# Allegro board Swan Feather PCB v3.0.brd
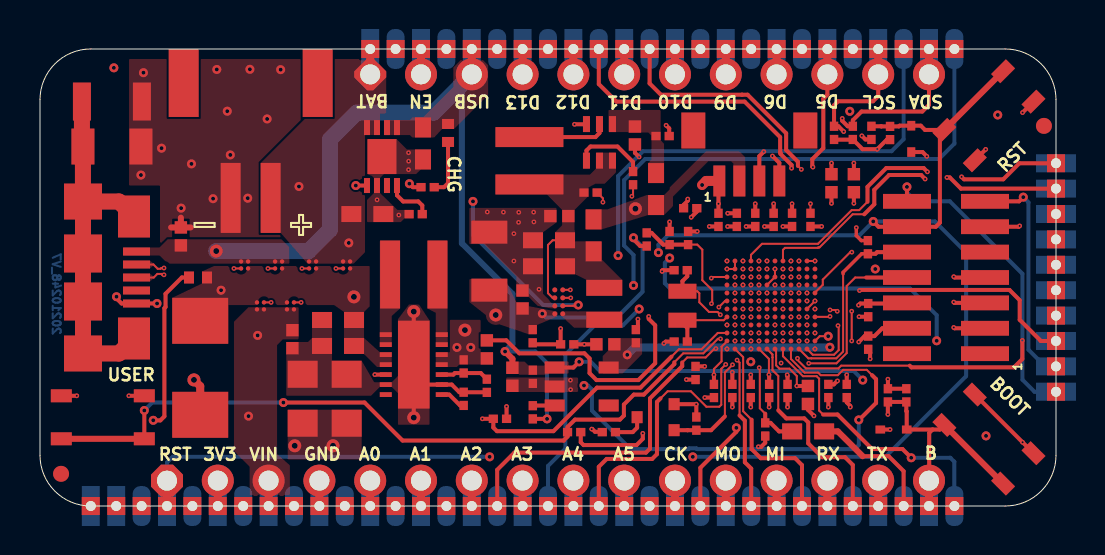
[diagram p0: board, top side]
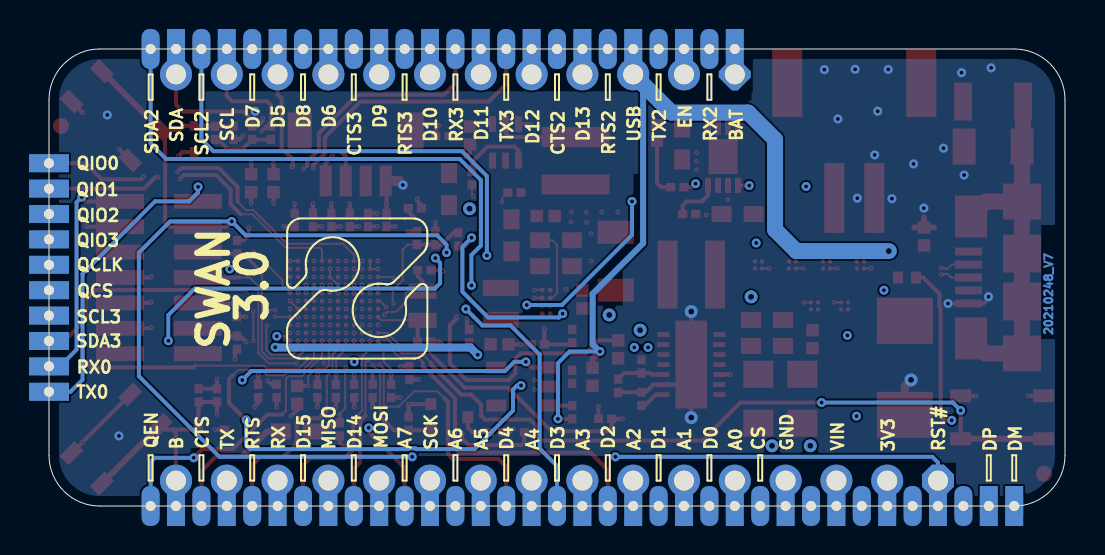
[diagram p1: board, bottom side, seen from below]

Outline 50.8 x 22.86 mm; copper layers: TOP, GND, INT1, INT2, POWER, BOTTOM. Coordinates in mm from the lower left corner of the outline.
Outline path: 0,20.32 0,2.54 arc(0.74,0.74) 2.54,0 48.26,0 arc(50.06,0.74) 50.8,2.54 50.8,20.32 arc(50.06,22.12) 48.26,22.86 2.54,22.86 arc(0.74,22.12) 0,20.32

## Design rules (mm)
constraint set DEFAULT: pair gap 0.1
net group USB_90: nets USB_DM USB_DP

## Placement (name value [footprint] x y rotation side)
C1  10n/1kV  [CS-C-1206]  3.65 17.98 0 top
C2  100n/16V  [CS-C-0402]  7.04 13.48 90 top
C3  100n/16V  [CS-C-0402]  12.62 8.34 270 top
C4  47u/16V-X5R  [CS-C-1206]  22.47 12.3 90 top
C5  4.7u/6.3V-X5R  [CS-C-0402]  24.13 10.33 90 top
C6  10u/10V-X5R  [CS-C-0603]  25.45 11.99 180 top
C7  10u/10V-X5R  [CS-C-0603]  25.45 13.29 180 top
C8  100n/16V-X5R  [CS-C-0201]  26.36 8.09 0 top
C9  4.7u/10V/X5R  [CS-C-0603]  16.37 14.6 0 top
C10  4.7u/10V/X5R  [CS-C-0603]  19.15 18.13 270 top
C11  100n/16V-X5R  [CS-C-0201]  27.53 15.68 0 top
C12  10u/6.3V-X5R  [CS-C-0402]  25.97 14.5 180 top
C13  10u/6.3V-X5R  [CS-C-0402]  29.75 18.53 270 top
C14  100n/16V-X5R  [CS-C-0201]  31.13 18.5 0 top
C15  100u/6.3V  [CS-T-A]  13.13 5.37 90 top
C16  100u/6.3V  [CS-T-A]  15.33 5.37 90 top
C17  100n/16V-X5R  [CS-C-0201]  21.18 5.36 90 top
C18  10u/10V-X5R  [CS-C-0603]  14.9 9.31 180 top
C19  10u/10V-X5R  [CS-C-0603]  14.9 8.01 180 top
C20  100n/16V-X5R  [CS-C-0201]  24.64 6.46 270 top
C21  1u/16V-X5R  [CS-C-0402]  23.62 6.46 270 top
C22  100n/16V-X5R  [CS-C-0201]  29.79 8.49 90 top
C23  1u/16V-X5R  [CS-C-0402]  28.27 8.09 180 top
C24  10n/16V-X5R  [CS-C-0201]  32.41 13.4 90 top
C25  100n/16V-X5R  [CS-C-0201]  35.54 5.75 270 top
C26  100n/16V-X5R  [CS-C-0201]  37.38 5.75 270 top
C27  4.7u/6.3V-X5R  [CS-C-0402]  38.4 5.55 90 top
C28  100n/16V-X5R  [CS-C-0201]  36.46 5.75 270 top
C29  1u/16V-X5R  [CS-C-0402]  40.69 16.15 270 top
C30  100n/16V-X5R  [CS-C-0201]  33.92 14.31 90 top
C31  1u/16V-X5R  [CS-C-0402]  39.57 16.15 270 top
C32  4p/50V-C0G  [CS-C-0201]  32.04 8.22 180 top
C33  4p/50V-C0G  [CS-C-0201]  32.03 11.8 180 top
C34  100n/16V-X5R  [CS-C-0201]  41.57 18.66 270 top
C35  100n/16V-X5R  [CS-C-0201]  42.4 5.54 90 top
C36  100n/16V-X5R  [CS-C-0201]  39.42 5.75 270 top
C37  100n/16V-X5R  [CS-C-0201]  34.62 5.75 270 top
C38  100n/16V-X5R  [CS-C-0201]  38.52 14.31 90 top
C39  100n/16V-X5R  [CS-C-0201]  32.51 14.9 180 top
C40  100n/16V-X5R  [CS-C-0201]  35.76 14.31 90 top
C41  100n/16V-X5R  [CS-C-0201]  37.6 14.31 90 top
C42  100n/16V-X5R  [CS-C-0201]  36.68 14.31 90 top
C43  100n/16V-X5R  [CS-C-0201]  34.84 14.31 90 top
C44  100n/16V-X5R  [CS-C-0201]  40.34 5.75 270 top
C45  100n/16V-X5R  [CS-C-0201]  33.7 5.75 270 top
C46  10n/16V-X5R  [CS-C-0201]  32.78 6.65 270 top
FID1  TPS  [FIDUCIAL]  1.05 1.61 0 top
FID2  TPS  [FIDUCIAL]  50.2 19.01 0 top
J1  10118192-0002LF  [J-5-0065-FOS-USB10118192-NOF]  4.7 11.43 270 top
J2  00820  [J-16-0254-MDT]  25.4 1.27 0 bottom
J3  00815  [J-12-0254-MDT]  30.48 21.59 0 bottom
J4  20404  [J-2-0200-MOS-S2B]  10.53 18.26 0 top
J5  21691  [J-7X2-0127-MDS-21691]  45.3 11.43 90 top
J6  BM04B-SRSS-TBT  [J-4-0100-MDS-SH]  33.97 16.26 0 top
L1  1285AS-H-2R2M=P2  [LS-0806]  28.21 10.11 90 top
L2  XFL4020-222MEC  [LS-XFL4020]  24.47 17.27 270 top
L3  XFL4020-152MEC  [LS-XFL4020]  18.69 11.58 180 top
LD1  SML-P12WTT86R  [LD-0402]  20.4 18.66 90 top
LD2  SML-P12U2TT86R  [LD-0402]  7.9 11.43 0 top
NOREF  -  []  12.35 10.07 90 top
NOREF#2  -  []  16.06 -1 90 top
NOREF#3  -  []  26.22 -1 90 top
NOREF#4  -  []  7.7 11.13 0 top
NOREF#5  -  []  28.62 17.27 90 top
NOREF#6  -  []  40.11 5.63 0 top
NOREF#7  -  []  0.52 2.64 90 top
NOREF#8  -  []  24.15 13.69 0 top
NOREF#9  -  []  34.61 14.85 0 top
NOREF#10  -  []  44.82 17.72 0 top
NOREF#11  -  []  41.8 18.12 90 top
NOREF#12  -  []  8.44 -1 90 top
NOREF#13  -  []  27.49 -1 90 top
NOREF#14  -  []  7.93 22.86 0 top
NOREF#15  -  []  44.16 17.26 90 top
NOREF#16  -  []  38.87 17.88 90 top
NOREF#17  -  []  0 7.93 0 top
NOREF#18  -  []  40.64 18.33 90 top
NOREF#19  -  []  42.73 -0.45 0 top
NOREF#20  -  []  41.46 21.86 90 top
NOREF#21  -  []  22.67 4.36 0 top
NOREF#22  -  []  27.72 17.1 90 top
NOREF#23  -  []  25.83 14.19 90 top
NOREF#24  -  []  51.25 11.62 90 top
NOREF#25  -  []  41.41 7.84 90 top
NOREF#26  -  []  21.14 21.86 90 top
NOREF#27  -  []  41.17 13.49 0 top
NOREF#28  -  []  12.62 7.89 90 top
NOREF#29  -  []  31.3 -0.45 0 top
NOREF#30  -  []  23.97 14.38 0 top
NOREF#31  -  []  41.78 3.63 0 top
NOREF#32  -  []  13.45 12.12 90 top
NOREF#33  -  []  24.41 9.03 0 top
NOREF#34  -  []  44.46 18.16 90 top
NOREF#35  -  []  42.4 5.21 90 top
NOREF#36  -  []  45.27 21.86 90 top
NOREF#37  -  []  35.07 14.43 90 top
NOREF#38  -  []  51.25 9.07 90 top
NOREF#39  -  []  22.41 21.86 90 top
NOREF#40  -  []  0 2.54 0 top
NOREF#41  -  []  0.54 3.04 90 top
NOREF#42  -  []  50.35 15.43 0 top
NOREF#43  -  []  50.8 0 0 top
NOREF#44  -  []  51.25 12.88 90 top
NOREF#45  -  []  37.83 14.43 90 top
NOREF#46  -  []  0.52 2.64 0 top
NOREF#47  -  []  40.41 18.54 0 top
NOREF#48  -  []  6.43 22.86 0 top
NOREF#49  -  []  44.9 -0.45 90 top
NOREF#50  -  []  33.84 21.86 90 top
NOREF#51  -  []  41.18 10.34 0 top
NOREF#52  -  []  38.71 4.13 0 top
NOREF#53  -  []  24.58 -0.45 90 top
NOREF#54  -  []  28.39 -0.45 90 top
NOREF#55  -  []  45.27 22.41 0 top
NOREF#56  -  []  39.26 16.01 0 top
NOREF#57  -  []  3.36 -1 90 top
NOREF#58  -  []  37.27 17.03 90 top
NOREF#59  -  []  39.37 21.59 0 top
NOREF#60  -  []  16.37 18.35 0 top
NOREF#61  -  []  9.71 -0.45 0 top
NOREF#62  -  []  37.27 15.48 90 top
NOREF#63  -  []  23.82 11.09 0 top
NOREF#64  -  []  27.2 15.68 0 top
NOREF#65  -  []  21.18 6.65 90 top
NOREF#66  -  []  3.36 -0.45 0 top
NOREF#67  -  []  34.15 14.43 90 top
NOREF#68  -  []  10.05 11.88 0 top
NOREF#69  -  []  37.65 22.41 0 top
NOREF#70  -  []  32.82 3.79 90 top
NOREF#71  -  []  5.62 17.08 90 top
NOREF#72  -  []  44.69 18.49 0 top
NOREF#73  -  []  18.6 22.41 0 top
NOREF#74  -  []  50.35 5.26 0 top
NOREF#75  -  []  27.51 8.4 0 top
NOREF#76  -  []  42.63 5.66 90 top
NOREF#77  -  []  12.03 13.66 90 top
NOREF#78  -  []  17.33 -0.45 0 top
NOREF#79  -  []  31.48 13.07 90 top
NOREF#80  -  []  29.66 22.41 90 top
NOREF#81  -  []  38.92 21.86 90 top
NOREF#82  -  []  44.69 18.49 0 top
NOREF#83  -  []  40.69 15.7 90 top
NOREF#84  -  []  31.3 14.65 90 top
NOREF#85  -  []  2.15 7.63 90 top
NOREF#86  -  []  34.35 7.86 0 top
NOREF#87  -  []  42.27 18.54 0 top
NOREF#88  -  []  22.57 6.13 90 top
NOREF#89  -  []  29.75 18.08 90 top
NOREF#90  -  []  6.86 10.66 0 top
NOREF#91  -  []  36.01 22.41 90 top
NOREF#92  -  []  10.05 11.88 90 top
NOREF#93  -  []  31.3 21.86 90 top
NOREF#94  -  []  39.82 22.41 90 top
NOREF#95  -  []  30.03 22.41 0 top
NOREF#96  -  []  4.63 -1 90 top
NOREF#97  -  []  20.95 5.9 0 top
NOREF#98  -  []  4.65 21.18 0 top
NOREF#99  -  []  15.15 11.88 90 top
NOREF#100  -  []  15.2 8.91 90 top
NOREF#101  -  []  37.61 3.73 0 top
NOREF#102  -  []  33.67 15.48 0 top
NOREF#103  -  []  35.97 16.26 0 top
NOREF#104  -  []  3.2 10.88 90 top
NOREF#105  -  []  15.57 14.6 0 top
NOREF#106  -  []  8.01 4.56 90 top
NOREF#107  -  []  34.62 5.42 90 top
NOREF#108  -  []  26.22 21.86 90 top
NOREF#109  -  []  43.78 3.23 90 top
NOREF#110  -  []  23.31 22.41 90 top
NOREF#111  -  []  23.31 -0.45 90 top
NOREF#112  -  []  21.14 22.41 0 top
NOREF#113  -  []  21.18 5.03 90 top
NOREF#114  -  []  23.93 5.7 90 top
NOREF#115  -  []  30.93 22.41 90 top
NOREF#116  -  []  17.57 5.37 0 top
NOREF#117  -  []  27.49 21.86 90 top
NOREF#118  -  []  0.54 3.69 90 top
NOREF#119  -  []  31.93 11.59 90 top
NOREF#120  -  []  16.96 22.41 90 top
NOREF#121  -  []  17.5 11.58 0 top
NOREF#122  -  []  27.12 -0.45 90 top
NOREF#123  -  []  34.85 5.21 90 top
NOREF#124  -  []  39.42 5.42 90 top
NOREF#125  -  []  17.9 9.27 0 top
NOREF#126  -  []  18.23 -0.45 90 top
NOREF#127  -  []  50.35 16.7 0 top
NOREF#128  -  []  41.09 22.41 90 top
NOREF#129  -  []  9.03 13.66 90 top
NOREF#130  -  []  32.57 -1 90 top
NOREF#131  -  []  4.82 12.08 90 top
NOREF#132  -  []  40.34 5.42 90 top
NOREF#133  -  []  16.2 18.55 0 top
NOREF#134  -  []  1.59 3.04 0 top
NOREF#135  -  []  36.03 3.71 0 top
NOREF#136  -  []  36.49 3.29 90 top
NOREF#137  -  []  42.96 19.46 0 top
NOREF#138  -  []  29.56 9.03 0 top
NOREF#139  -  []  7.17 -0.45 0 top
NOREF#140  -  []  24.64 6.13 90 top
NOREF#141  -  []  22.34 5.68 90 top
NOREF#142  -  []  44 21.86 90 top
NOREF#143  -  []  16.06 21.86 90 top
NOREF#144  -  []  11.75 11.88 90 top
NOREF#145  -  []  8.44 -0.45 0 top
NOREF#146  -  []  21.89 9.9 0 top
NOREF#147  -  []  32.27 19.68 0 top
NOREF#148  -  []  13.45 11.88 90 top
NOREF#149  -  []  19.87 22.41 0 top
NOREF#150  -  []  46 20.62 0 top
NOREF#151  -  []  28.76 -1 90 top
NOREF#152  -  []  1.57 17.08 0 top
NOREF#153  -  []  40.87 18.12 90 top
NOREF#154  -  []  13.6 8.41 0 top
NOREF#155  -  []  30.34 13 90 top
NOREF#156  -  []  18 9.88 90 top
NOREF#157  -  []  13.81 5.84 90 top
NOREF#158  -  []  24.95 -1 90 top
NOREF#159  -  []  41.4 12.62 90 top
NOREF#160  -  []  18.88 14.81 0 top
NOREF#161  -  []  16.01 5.84 90 top
NOREF#162  -  []  19.5 22.41 90 top
NOREF#163  -  []  27.49 -0.45 0 top
NOREF#164  -  []  31.71 8.22 0 top
NOREF#165  -  []  42.73 21.86 90 top
NOREF#166  -  []  50.35 14.15 0 top
NOREF#167  -  []  25.85 22.41 90 top
NOREF#168  -  []  23.04 12.8 90 top
NOREF#169  -  []  37.6 13.98 90 top
NOREF#170  -  []  39.82 -0.45 90 top
NOREF#171  -  []  22.9 4.15 90 top
NOREF#172  -  []  15.2 7.61 90 top
NOREF#173  -  []  30.11 13.21 0 top
NOREF#174  -  []  50.35 11.06 90 top
NOREF#175  -  []  18.65 17.73 0 top
NOREF#176  -  []  0 7.93 90 top
NOREF#177  -  []  32.64 13.52 90 top
NOREF#178  -  []  29.41 9.21 90 top
NOREF#179  -  []  19.5 -0.45 90 top
NOREF#180  -  []  32.57 -0.45 0 top
NOREF#181  -  []  36.45 14.85 0 top
NOREF#182  -  []  31.3 22.41 0 top
NOREF#183  -  []  30.57 12.79 90 top
NOREF#184  -  []  6.73 14.24 0 top
NOREF#185  -  []  25.4 0.77 90 top
NOREF#186  -  []  9.4 7.43 90 top
NOREF#187  -  []  47.63 0.8 90 top
NOREF#188  -  []  24.95 -0.45 0 top
NOREF#189  -  []  23.68 -1 90 top
NOREF#190  -  []  10.05 12.12 90 top
NOREF#191  -  []  12.31 8.2 0 top
NOREF#192  -  []  42.73 18.12 90 top
NOREF#193  -  []  11.2 9.83 90 top
NOREF#194  -  []  40.57 5.21 90 top
NOREF#195  -  []  25.73 5.03 0 top
NOREF#196  -  []  41.46 -0.45 0 top
NOREF#197  -  []  28.09 15.47 90 top
NOREF#198  -  []  51.25 7.8 90 top
NOREF#199  -  []  51.25 5.26 90 top
NOREF#200  -  []  24.95 22.41 0 top
NOREF#201  -  []  29.86 4.44 90 top
NOREF#202  -  []  22.03 7.69 0 top
NOREF#203  -  []  31.48 8.43 0 top
NOREF#204  -  []  50.35 9.07 0 top
NOREF#205  -  []  37.15 5.63 0 top
NOREF#206  -  []  12.46 7.34 0 top
NOREF#207  -  []  28.76 21.86 90 top
NOREF#208  -  []  44.95 20.62 90 top
NOREF#209  -  []  50.35 7.25 90 top
NOREF#210  -  []  32.41 14.69 90 top
NOREF#211  -  []  21.41 5.48 90 top
NOREF#212  -  []  8.6 11.13 90 top
NOREF#213  -  []  5.9 -0.45 0 top
NOREF#214  -  []  19.15 17.33 90 top
NOREF#215  -  []  18.65 18.53 90 top
NOREF#216  -  []  41.46 22.41 0 top
NOREF#217  -  []  36.38 22.41 0 top
NOREF#218  -  []  14.63 19.46 90 top
NOREF#219  -  []  50.35 6.54 0 top
NOREF#220  -  []  36.38 21.86 90 top
NOREF#221  -  []  2.15 17.98 0 top
NOREF#222  -  []  11.03 17.16 0 top
NOREF#223  -  []  17.35 18.93 0 top
NOREF#224  -  []  32.2 -0.45 90 top
NOREF#225  -  []  39.71 3.33 90 top
NOREF#226  -  []  4.63 -0.45 0 top
NOREF#227  -  []  22.04 22.41 90 top
NOREF#228  -  []  50.35 16.14 90 top
NOREF#229  -  []  30.06 17.77 90 top
NOREF#230  -  []  49.15 19.9 90 top
NOREF#231  -  []  50.35 4.71 90 top
NOREF#232  -  []  32.57 22.41 0 top
NOREF#233  -  []  33.7 5.42 90 top
NOREF#234  -  []  31.94 8.01 90 top
NOREF#235  -  []  41.18 8.05 0 top
NOREF#236  -  []  37.28 -0.45 90 top
NOREF#237  -  []  32.57 21.86 90 top
NOREF#238  -  []  27.12 22.41 90 top
NOREF#239  -  []  17.29 8.57 0 top
NOREF#240  -  []  36.69 5.21 90 top
NOREF#241  -  []  12.7 9.83 90 top
NOREF#242  -  []  5.53 -0.45 90 top
NOREF#243  -  []  43.58 3.63 90 top
NOREF#244  -  []  46.21 5.25 0 top
NOREF#245  -  []  26.92 7.88 90 top
NOREF#246  -  []  16.06 22.41 0 top
NOREF#247  -  []  50.35 13.61 90 top
NOREF#248  -  []  15.69 -0.45 90 top
NOREF#249  -  []  13.15 -0.45 90 top
NOREF#250  -  []  35.11 -0.45 0 top
NOREF#251  -  []  41.41 9.47 90 top
NOREF#252  -  []  14.79 -1 90 top
NOREF#253  -  []  50.35 5.99 90 top
NOREF#254  -  []  38.55 -0.45 90 top
NOREF#255  -  []  17.33 22.41 0 top
NOREF#256  -  []  34.84 13.98 90 top
NOREF#257  -  []  35.11 21.86 90 top
NOREF#258  -  []  10.85 10.07 90 top
NOREF#259  -  []  1.65 19.28 90 top
NOREF#260  -  []  34.39 5.63 0 top
NOREF#261  -  []  4.26 -0.45 90 top
NOREF#262  -  []  29.56 4.17 90 top
NOREF#263  -  []  33.84 -0.45 0 top
NOREF#264  -  []  2.1 20.23 0 top
NOREF#265  -  []  28.34 3.49 90 top
NOREF#266  -  []  30.03 -0.45 0 top
NOREF#267  -  []  36.01 -0.45 90 top
NOREF#268  -  []  30.03 21.86 90 top
NOREF#269  -  []  37.61 5.21 90 top
NOREF#270  -  []  13.52 -1 90 top
NOREF#271  -  []  27.18 14.74 0 top
NOREF#272  -  []  39.19 5.63 0 top
NOREF#273  -  []  26.81 3.91 0 top
NOREF#274  -  []  42.36 22.41 90 top
NOREF#275  -  []  39.57 15.7 90 top
NOREF#276  -  []  26.38 3.7 0 top
NOREF#277  -  []  19.94 15.74 90 top
NOREF#278  -  []  41.64 9.92 90 top
NOREF#279  -  []  33.84 -1 90 top
NOREF#280  -  []  29.66 -0.45 90 top
NOREF#281  -  []  1.69 5.54 0 top
NOREF#282  -  []  20.89 6.28 90 top
NOREF#283  -  []  25.75 11.59 90 top
NOREF#284  -  []  18.45 14.6 0 top
NOREF#285  -  []  15.15 11.88 0 top
NOREF#286  -  []  36.26 3.5 90 top
NOREF#287  -  []  40.19 21.86 90 top
NOREF#288  -  []  10.98 -0.45 0 top
NOREF#289  -  []  25.73 5.98 90 top
NOREF#290  -  []  18.6 -0.45 0 top
NOREF#291  -  []  28.76 -0.45 0 top
NOREF#292  -  []  23.62 6.01 90 top
NOREF#293  -  []  12.25 -1 90 top
NOREF#294  -  []  41.58 3.23 0 top
NOREF#295  -  []  24.87 5.92 90 top
NOREF#296  -  []  30.93 -0.45 90 top
NOREF#297  -  []  23.68 -0.45 0 top
NOREF#298  -  []  31.69 18.29 90 top
NOREF#299  -  []  44.95 2.25 0 top
NOREF#300  -  []  24.97 14.38 90 top
NOREF#301  -  []  50.35 12.88 0 top
NOREF#302  -  []  19.34 14.39 90 top
NOREF#303  -  []  33.47 -0.45 90 top
NOREF#304  -  []  19.87 21.86 90 top
NOREF#305  -  []  31.3 -1 90 top
NOREF#306  -  []  33.69 14.85 0 top
NOREF#307  -  []  43.63 -0.45 90 top
NOREF#308  -  []  35.53 14.85 0 top
NOREF#309  -  []  50.35 8.53 90 top
NOREF#310  -  []  27.49 22.41 0 top
NOREF#311  -  []  37.65 -1 90 top
NOREF#312  -  []  29.88 16.52 90 top
NOREF#313  -  []  43.55 5 90 top
NOREF#314  -  []  7.2 11.73 0 top
NOREF#315  -  []  17 9.88 0 top
NOREF#316  -  []  32.41 13.07 90 top
NOREF#317  -  []  33.84 22.41 0 top
NOREF#318  -  []  38.92 -1 90 top
NOREF#319  -  []  24.41 6.34 0 top
NOREF#320  -  []  12.25 -0.45 0 top
NOREF#321  -  []  25.74 9.61 0 top
NOREF#322  -  []  26.03 8.09 0 top
NOREF#323  -  []  24.64 4.36 90 top
NOREF#324  -  []  29.44 18.39 0 top
NOREF#325  -  []  33.01 6.11 90 top
NOREF#326  -  []  47.26 16.84 90 top
NOREF#327  -  []  33.05 4.24 90 top
NOREF#328  -  []  19.48 16.16 0 top
NOREF#329  -  []  41.46 -1 90 top
NOREF#330  -  []  38.92 -0.45 0 top
NOREF#331  -  []  30.8 15.05 90 top
NOREF#332  -  []  50.35 10.35 0 top
NOREF#333  -  []  32.18 13.94 0 top
NOREF#334  -  []  35.77 5.21 90 top
NOREF#335  -  []  33.47 22.41 90 top
NOREF#336  -  []  14.42 -0.45 90 top
NOREF#337  -  []  29.42 16.94 0 top
NOREF#338  -  []  39.65 5.21 90 top
NOREF#339  -  []  19.87 -1 90 top
NOREF#340  -  []  4.69 3.04 0 top
NOREF#341  -  []  22.04 -0.45 90 top
NOREF#342  -  []  40.38 16.01 0 top
NOREF#343  -  []  0.6 10.63 90 top
NOREF#344  -  []  28.61 11.01 0 top
NOREF#345  -  []  17.33 -1 90 top
NOREF#346  -  []  2.55 7.93 0 top
NOREF#347  -  []  46.17 22.41 90 top
NOREF#348  -  []  30.03 -1 90 top
NOREF#349  -  []  41.57 18.33 90 top
NOREF#350  -  []  24.58 22.41 90 top
NOREF#351  -  []  28.76 22.41 0 top
NOREF#352  -  []  22.41 22.41 0 top
NOREF#353  -  []  28.11 3.7 0 top
NOREF#354  -  []  16.06 -0.45 0 top
NOREF#355  -  []  7.04 13.03 90 top
NOREF#356  -  []  35.11 22.41 0 top
NOREF#357  -  []  17.33 21.86 90 top
NOREF#358  -  []  36.68 13.98 90 top
NOREF#359  -  []  38.71 5.69 90 top
NOREF#360  -  []  51.25 6.54 90 top
NOREF#361  -  []  37.28 22.41 90 top
NOREF#362  -  []  44 -1 90 top
NOREF#363  -  []  16.5 15.65 90 top
NOREF#364  -  []  28.39 22.41 90 top
NOREF#365  -  []  24.41 5.23 0 top
NOREF#366  -  []  38.55 22.41 90 top
NOREF#367  -  []  22.44 4.57 0 top
NOREF#368  -  []  25.21 14.81 0 top
NOREF#369  -  []  39.47 18.54 0 top
NOREF#370  -  []  38.4 5.1 90 top
NOREF#371  -  []  30.48 21.09 90 top
NOREF#372  -  []  6.86 7.86 90 top
NOREF#373  -  []  11.75 11.88 0 top
NOREF#374  -  []  35.54 5.42 90 top
NOREF#375  -  []  15.15 12.12 90 top
NOREF#376  -  []  13.45 11.88 0 top
NOREF#377  -  []  10.85 10.18 0 top
NOREF#378  -  []  34.74 -0.45 90 top
NOREF#379  -  []  5.8 12.23 0 top
NOREF#380  -  []  49.15 2.19 90 top
NOREF#381  -  []  26.22 22.41 0 top
NOREF#382  -  []  51.25 15.43 90 top
NOREF#383  -  []  36.38 -0.45 0 top
NOREF#384  -  []  29.21 1.27 0 top
NOREF#385  -  []  18.23 22.41 90 top
NOREF#386  -  []  30.02 8.61 90 top
NOREF#387  -  []  46.21 5.25 0 top
NOREF#388  -  []  28.18 13.94 90 top
NOREF#389  -  []  14.1 8.01 0 top
NOREF#390  -  []  13.52 -0.45 0 top
NOREF#391  -  []  50.35 12.34 90 top
NOREF#392  -  []  24.15 12.39 0 top
NOREF#393  -  []  30.3 15.45 0 top
NOREF#394  -  []  34.74 22.41 90 top
NOREF#395  -  []  10.98 -1 90 top
NOREF#396  -  []  24.95 21.86 90 top
NOREF#397  -  []  39.7 18.33 90 top
NOREF#398  -  []  44.82 1.55 90 top
NOREF#399  -  []  26.22 -0.45 0 top
NOREF#400  -  []  36.38 -1 90 top
NOREF#401  -  []  31.77 10.72 0 top
NOREF#402  -  []  45.74 3.61 90 top
NOREF#403  -  []  2.09 -0.45 0 top
NOREF#404  -  []  34.35 7.86 90 top
NOREF#405  -  []  14.79 -0.45 0 top
NOREF#406  -  []  33.92 13.98 90 top
NOREF#407  -  []  26.92 18.93 0 top
NOREF#408  -  []  9.71 -1 90 top
NOREF#409  -  []  7.35 13.62 90 top
NOREF#410  -  []  40.19 22.41 0 top
NOREF#411  -  []  36.97 16.26 0 top
NOREF#412  -  []  38.09 6.31 0 top
NOREF#413  -  []  7.17 -1 90 top
NOREF#414  -  []  29.56 4.72 0 top
NOREF#415  -  []  42.73 22.41 0 top
NOREF#416  -  []  39.88 15.39 90 top
NOREF#417  -  []  43.63 22.41 90 top
NOREF#418  -  []  28.13 7.78 90 top
NOREF#419  -  []  26.14 10.69 90 top
NOREF#420  -  []  50.35 14.88 90 top
NOREF#421  -  []  16.35 16.03 90 top
NOREF#422  -  []  47.63 21.42 90 top
NOREF#423  -  []  46.17 -0.45 90 top
NOREF#424  -  []  24.87 8.61 90 top
NOREF#425  -  []  25.52 14.5 0 top
NOREF#426  -  []  51.25 16.7 90 top
NOREF#427  -  []  0.54 2.91 90 top
NOREF#428  -  []  38.92 22.41 0 top
NOREF#429  -  []  41.64 7.63 90 top
NOREF#430  -  []  23.31 6.32 0 top
NOREF#431  -  []  27.63 15.89 0 top
NOREF#432  -  []  37.37 14.85 0 top
NOREF#433  -  []  26.46 8.3 0 top
NOREF#434  -  []  50.8 0 0 top
NOREF#435  -  []  21.14 -0.45 0 top
NOREF#436  -  []  50.35 7.8 0 top
NOREF#437  -  []  40.19 -1 90 top
NOREF#438  -  []  20.09 8.07 90 top
NOREF#439  -  []  9.34 -0.45 90 top
NOREF#440  -  []  35.76 13.98 90 top
NOREF#441  -  []  31.7 11.8 0 top
NOREF#442  -  []  16.96 -0.45 90 top
NOREF#443  -  []  25.74 10.41 90 top
NOREF#444  -  []  32.18 14.9 0 top
NOREF#445  -  []  44.82 17.72 90 top
NOREF#446  -  []  31.71 12.86 90 top
NOREF#447  -  []  23.68 21.86 90 top
NOREF#448  -  []  18.6 -1 90 top
NOREF#449  -  []  39.93 18.12 90 top
NOREF#450  -  []  22.34 7.38 90 top
NOREF#451  -  []  31.47 12.01 0 top
NOREF#452  -  []  31.71 3.79 90 top
NOREF#453  -  []  25.43 4.53 0 top
NOREF#454  -  []  19.05 15.95 0 top
NOREF#455  -  []  48.26 0 90 top
NOREF#456  -  []  46 4.45 0 top
NOREF#457  -  []  36.23 7.86 0 top
NOREF#458  -  []  41.78 4.03 0 top
NOREF#459  -  []  34.35 12.26 0 top
NOREF#460  -  []  27.82 8.09 0 top
NOREF#461  -  []  38.29 14.85 0 top
NOREF#462  -  []  15.07 14.2 90 top
NOREF#463  -  []  36.23 5.63 0 top
NOREF#464  -  []  20.95 7.52 0 top
NOREF#465  -  []  42.36 -0.45 90 top
NOREF#466  -  []  44 -0.45 0 top
NOREF#467  -  []  22.11 6.55 0 top
NOREF#468  -  []  32.55 6.53 0 top
NOREF#469  -  []  25.85 -0.45 90 top
NOREF#470  -  []  18.6 21.86 90 top
NOREF#471  -  []  41 15.39 90 top
NOREF#472  -  []  27.27 3.49 90 top
NOREF#473  -  []  22.65 7.07 90 top
NOREF#474  -  []  20.65 18.81 90 top
NOREF#475  -  []  10.61 -0.45 90 top
NOREF#476  -  []  31.95 15.11 0 top
NOREF#477  -  []  14.66 7.34 0 top
NOREF#478  -  []  35.31 5.63 0 top
NOREF#479  -  []  33.47 5.63 0 top
NOREF#480  -  []  5.74 3.81 90 top
NOREF#481  -  []  42.73 -1 90 top
NOREF#482  -  []  42.5 18.33 90 top
NOREF#483  -  []  24.64 8.16 90 top
NOREF#484  -  []  9.53 15.41 0 top
NOREF#485  -  []  21.14 -1 90 top
NOREF#486  -  []  41.63 13.07 90 top
NOREF#487  -  []  45.27 -0.45 0 top
NOREF#488  -  []  43.09 5.42 0 top
NOREF#489  -  []  27.97 19.1 0 top
NOREF#490  -  []  30.8 18.5 0 top
NOREF#491  -  []  50.35 9.79 90 top
NOREF#492  -  []  31.23 18.71 0 top
NOREF#493  -  []  40.19 -0.45 0 top
NOREF#494  -  []  20.77 22.41 90 top
NOREF#495  -  []  16.67 15 0 top
NOREF#496  -  []  51.25 10.35 90 top
NOREF#497  -  []  25.75 12.89 90 top
NOREF#498  -  []  27.01 9.21 0 top
NOREF#499  -  []  11.88 -0.45 90 top
NOREF#500  -  []  19.97 5.27 90 top
NOREF#501  -  []  24.13 9.88 90 top
NOREF#502  -  []  21.41 7.1 90 top
NOREF#503  -  []  13.6 9.71 0 top
NOREF#504  -  []  20.15 18.51 0 top
NOREF#505  -  []  19.87 -0.45 0 top
NOREF#506  -  []  28.43 5.03 90 top
NOREF#507  -  []  42.66 18.16 0 top
NOREF#508  -  []  36.46 5.42 90 top
NOREF#509  -  []  32.59 4.66 0 top
NOREF#510  -  []  31.02 9.32 90 top
NOREF#511  -  []  24.44 10.47 90 top
NOREF#512  -  []  11.75 12.12 90 top
NOREF#513  -  []  32.27 19.68 0 top
NOREF#514  -  []  6.7 12.23 0 top
NOREF#515  -  []  41.09 -0.45 90 top
NOREF#516  -  []  38.52 13.98 90 top
NOREF#517  -  []  32.78 6.32 90 top
NOREF#518  -  []  0 7.93 0 top
NOREF#519  -  []  42.17 6.08 0 top
NOREF#520  -  []  38.75 14.43 90 top
NOREF#521  -  []  32.2 22.41 90 top
NOREF#522  -  []  27.88 3.91 0 top
NOREF#523  -  []  22.47 10.8 90 top
NOREF#524  -  []  14.1 9.31 0 top
NOREF#525  -  []  45.27 -1 90 top
NOREF#526  -  []  37.65 -0.45 0 top
NOREF#527  -  []  35.99 14.43 90 top
NOREF#528  -  []  24.47 16.08 90 top
NOREF#529  -  []  20.77 -0.45 90 top
NOREF#530  -  []  50.35 11.62 0 top
NOREF#531  -  []  42.66 18.56 0 top
NOREF#532  -  []  37.65 21.86 90 top
NOREF#533  -  []  23.68 22.41 0 top
NOREF#534  -  []  37.67 17.88 0 top
NOREF#535  -  []  0.64 3.34 0 top
NOREF#536  -  []  14.66 5.84 0 top
NOREF#537  -  []  2.99 -0.45 90 top
NOREF#538  -  []  49.15 2.32 90 top
NOREF#539  -  []  41.34 18.54 0 top
NOREF#540  -  []  24.65 11.99 0 top
NOREF#541  -  []  6.8 -0.45 90 top
NOREF#542  -  []  37.38 5.42 90 top
NOREF#543  -  []  31.75 10.04 0 top
NOREF#544  -  []  33.93 5.21 90 top
NOREF#545  -  []  44.95 18.42 0 top
NOREF#546  -  []  44.9 22.41 90 top
NOREF#547  -  []  24.87 4.81 90 top
NOREF#548  -  []  44.82 1.55 0 top
NOREF#549  -  []  22.41 -0.45 0 top
NOREF#550  -  []  51.25 14.15 90 top
NOREF#551  -  []  -96.53 -120.94 0 top
NOREF#552  -  []  31.25 13.28 0 top
NOREF#553  -  []  12.93 7.58 90 top
NOREF#554  -  []  24.65 13.29 0 top
NOREF#555  -  []  22.41 -1 90 top
NOREF#556  -  []  12.46 5.84 0 top
NOREF#557  -  []  12.35 10.18 0 top
NOREF#558  -  []  4.45 7.93 0 top
NOREF#559  -  []  34.35 8.26 90 top
NOREF#560  -  []  5.9 -1 90 top
NOREF#561  -  []  35.11 -1 90 top
NOREF#562  -  []  17.82 16.6 90 top
NOREF#563  -  []  29.65 16.07 90 top
NOREF#564  -  []  27.68 12.74 90 top
NOREF#565  -  []  20.15 18.81 0 top
NOREF#566  -  []  29.79 8.16 90 top
NOREF#567  -  []  8.07 -0.45 90 top
NOREF#568  -  []  2.09 -1 90 top
NOREF#569  -  []  44 22.41 0 top
NOREF#570  -  []  43.32 5.21 90 top
NOREF#571  -  []  36.91 14.43 90 top
PAD1  TPS  [PAD-THT-CAS-0050]  3.81 0 180 top
PAD2  TPS  [PAD-THT-CAS-0050]  2.54 0 180 top
PAD3  TPS  [PAD-THT-CAS-0050]  6.35 0 0 top
PAD4  TPS  [PAD-THT-CAS-0050]  11.43 0 0 top
PAD5  TPS  [PAD-THT-CAS-0050]  8.89 0 0 top
PAD6  TPS  [PAD-THT-CAS-0050]  13.97 0 0 top
PAD7  TPS  [PAD-THT-CAS-0050]  16.51 0 0 top